# Altium PCB 2.4寸带固定框x3.PcbDoc
Units mm, origin at the board's own origin, x right, y up, seen from the top; angles counter-clockwise.
Board outline 71.91 x 45.51 mm, 2 copper layers (Top Layer, Bottom Layer); 14 components, 37 nets, 188 pads, 205 vias.
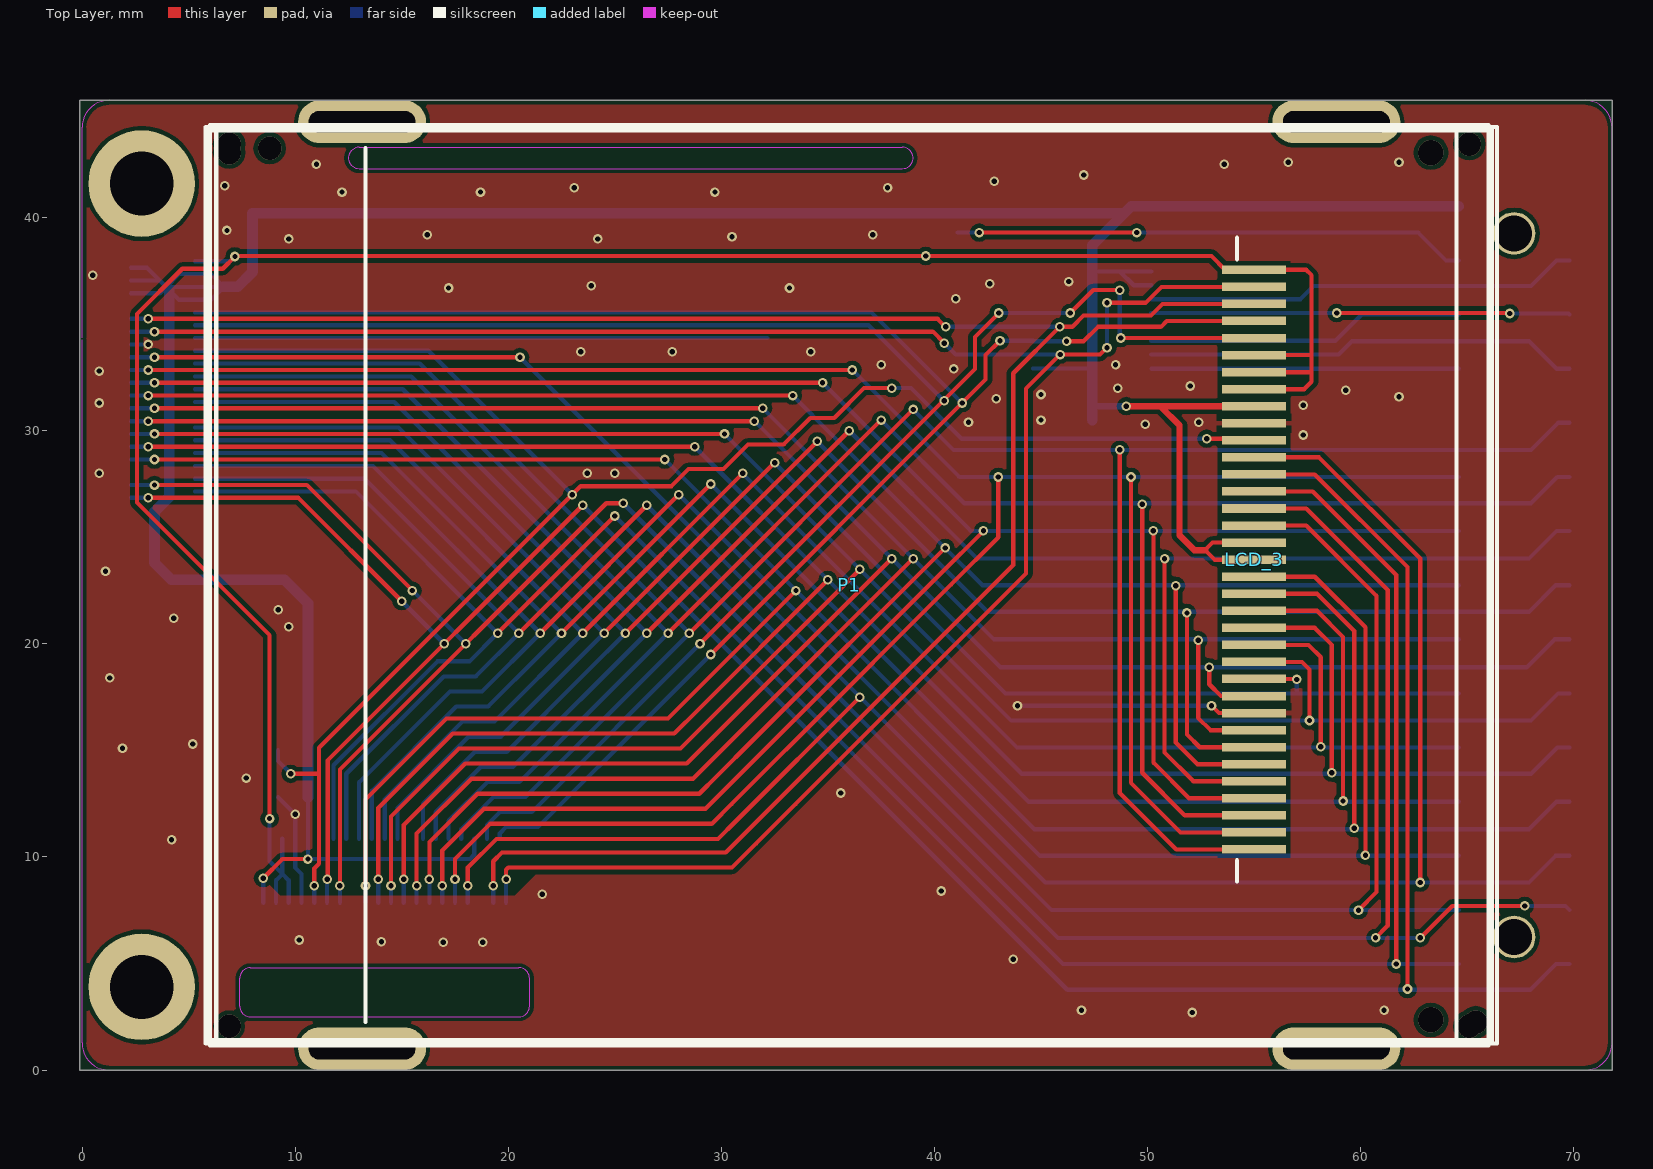
[diagram p0: Top Layer view]
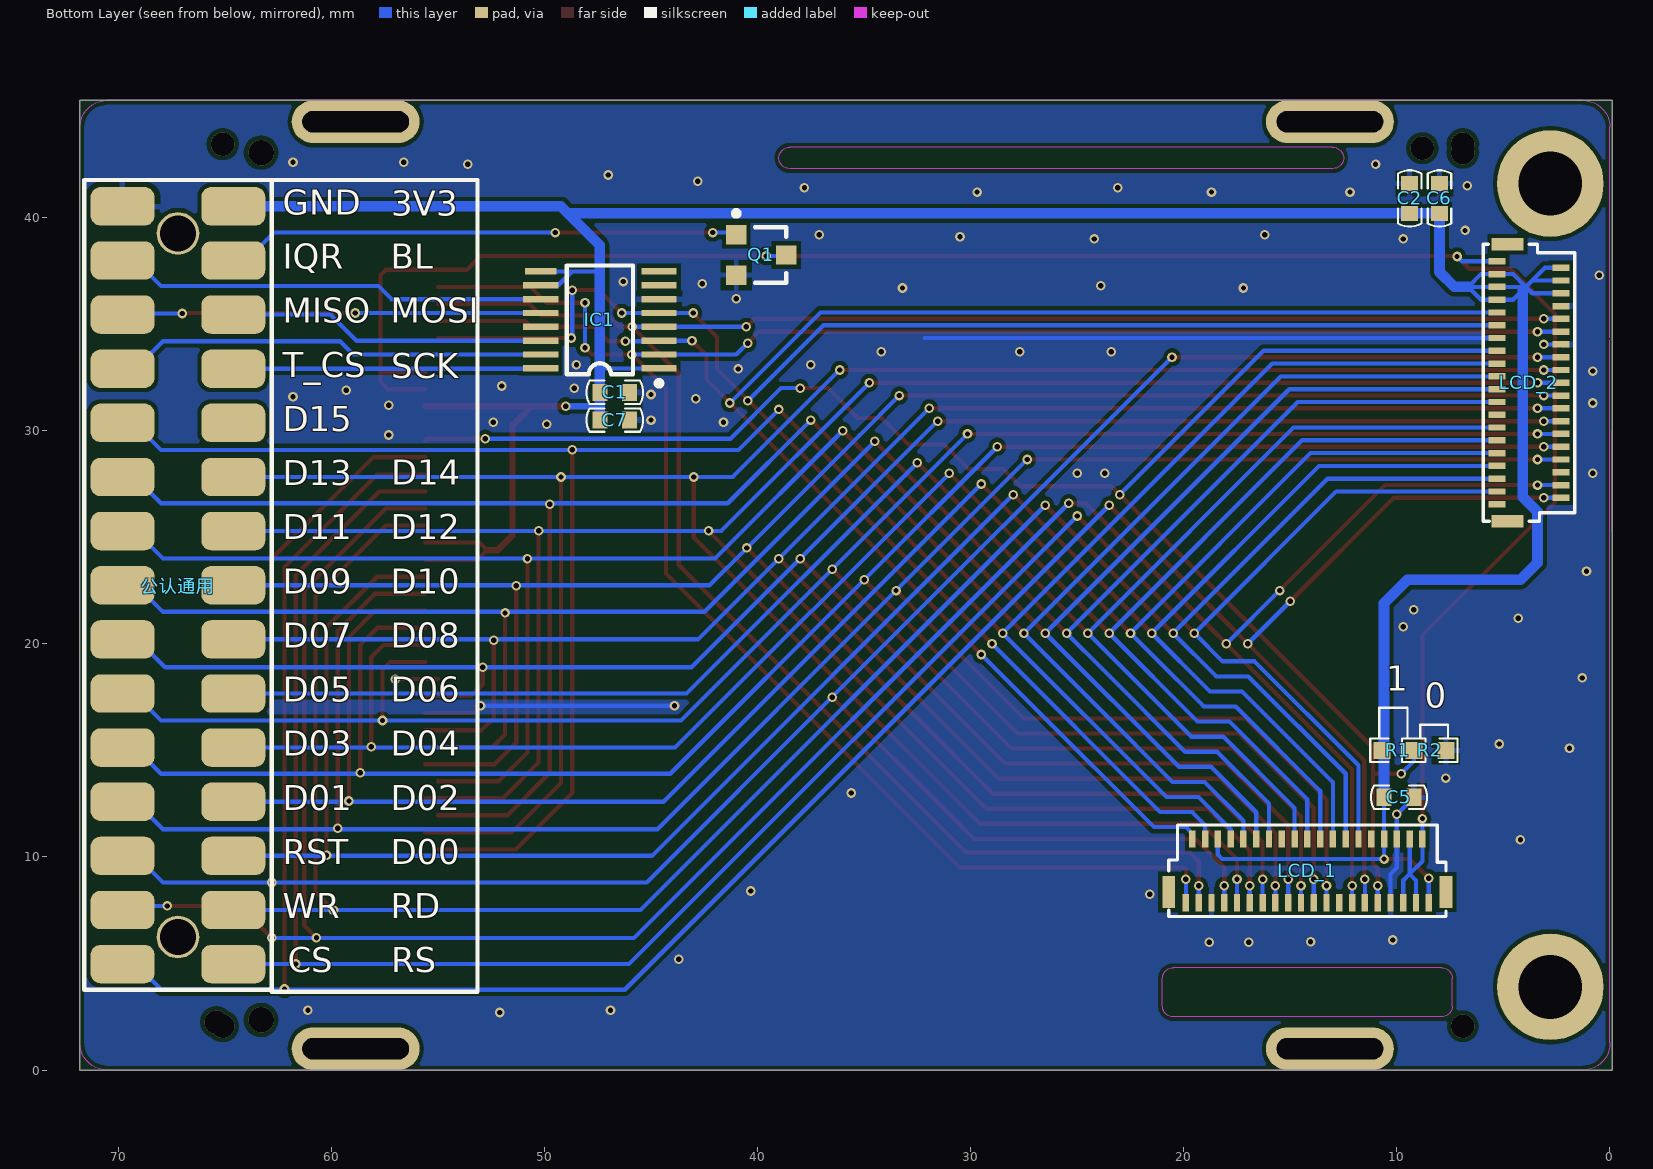
[diagram p1: Bottom Layer view, seen from below]
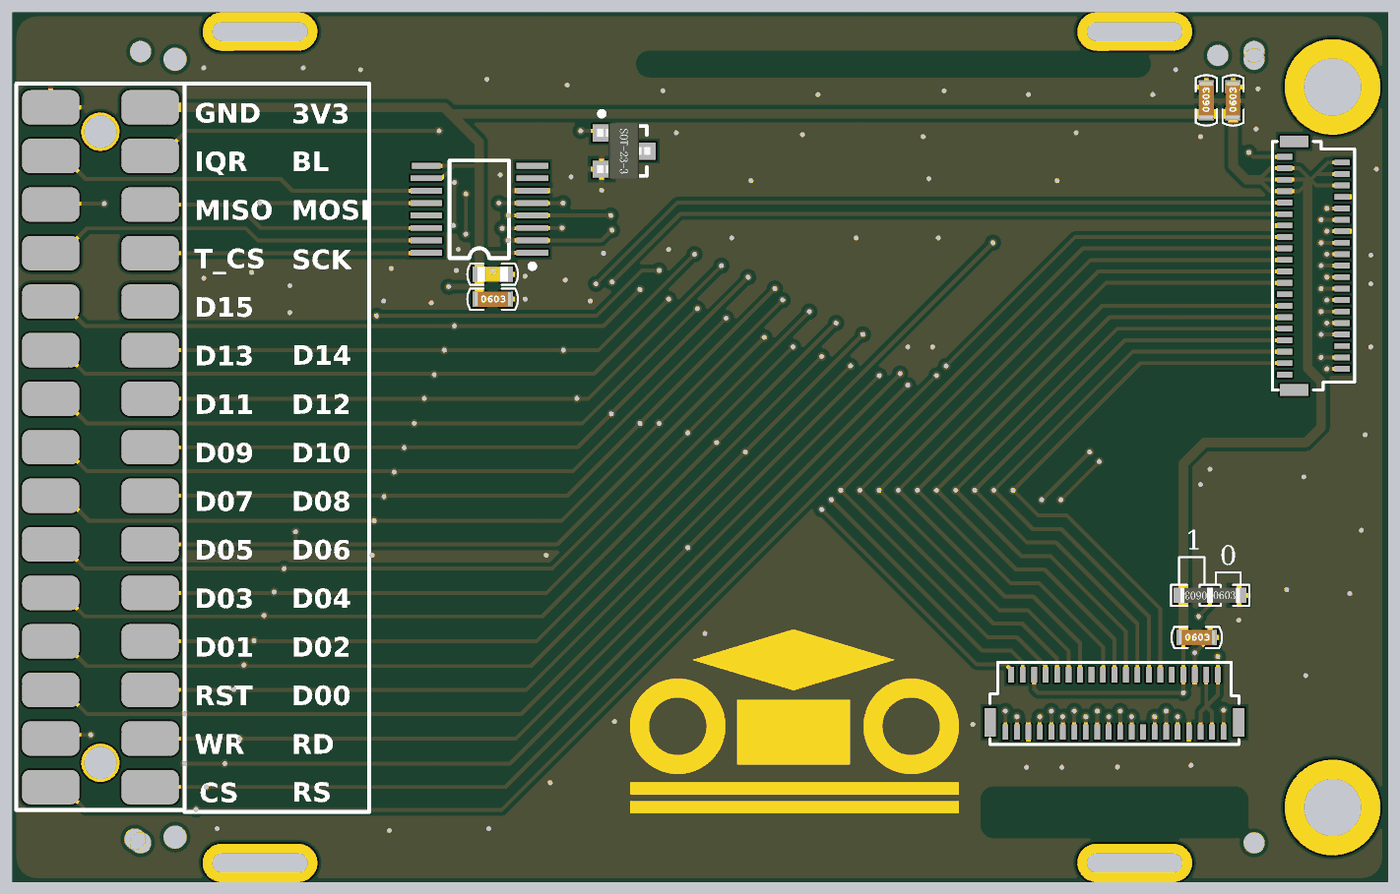
[diagram p2: 3D render of the assembled board from below, using the file's embedded part models]

## Layer stack, top to bottom
Top Solder: solder mask 0.0102, Solder Resist, Dk 3.5
Top Layer: signal copper 0.0356
Dielectric1: dielectric 0.32, FR-4, Dk 4.8
Bottom Layer: signal copper 0.0356
Bottom Solder: solder mask 0.0102, Solder Resist, Dk 3.5

## Board outline
-0.105,-0.005 71.805,-0.005 71.805,45.505 -0.105,45.505

## Design rules (kind name [scope] priority, off if disabled: settings)
Clearance [All] p1: gap=0.2
ComponentClearance [All] p1 off: gap=0.254 collisioncheckmode=3 verticalgap=0.254 showdistances=FALSE
Height [All] p1 off: minheight=0 maxheight=25.4 prefheight=12.7
PlaneConnect [All] p1: planeconnectstyle=Direct reliefexpansion=0.508 reliefentries=4 reliefconductorwidth=0.254 reliefairgap=0.254
PolygonConnect PolygonConnect_1 [IsVia] p1: connectstyle=Direct reliefconductorwidth=0.254 reliefentries=4 polygonreliefangle="90 Angle" airgapwidth=0.254
PolygonConnect [All] p2: connectstyle=Relief reliefconductorwidth=0.254 reliefentries=4 polygonreliefangle="90 Angle" airgapwidth=0.254
RoutingVias [All] p1: holewidth=0.711 width=1.27 viastyle="Through Hole" minholewidth=0.711 minwidth=1.27 maxholewidth=0.711 maxwidth=1.27
SilkToSolderMaskClearance SilkscreenOverComponentPads [IsPad] p1: minsilkscreentomaskgap=0.254 clearancetoexposedcopper=TRUE
SolderMaskExpansion [All] p1: expansion=0.102
Width [All] p1: maxlimit=1 minlimit=0.2 preferedwidth=0.2 minimp=50.000000 maximp=50.000000 favimp=50.000000
26 further rules are at their usual default settings.

## Components (designator, comment, footprint, x,y, rotation, side; value= is the part's Value field where it differs from the comment)
C1 "475" C0603-2 47.4,31.8 r180 bottom
C2 "104" C0603-1 9.4,40.2 r90 bottom
C5 "104" C0603-1 10.6,12.8 r180 bottom
C6 "104" C0603-1 8,40.2 r90 bottom
C7 "104" C0603-1 47.4,30.5 r180 bottom
IC1 "XPT2046" SOT403-1 47.4,35.2 r90 bottom locked
LCD_1 "TFT2.4_BTG242432" TFT2.4_BTG242432 6,44.35 r270 top locked
LCD_2 "TFT2.4_CXT24000" TFT2.4_CXT24000 5.8,44.25 r270 top locked
LCD_3 "TFT2.4_FGD240FLW" TFT2.4_FGD240FLW 64.5,1.35 r90 top locked
P1 "2.4inch_黑色固定框" 2.4inch_黑色固定框 5.9,44.15 r180 top locked
Q1 "MOSFET-N" SOT23A 41,39.2 r270 bottom
R1 "0R" R0603 9.2,15 r0 bottom
R2 "0R" R0603 9.2,15 r180 bottom
公认通用 "排针" P_Head_2x15 69.8,4.97 r90 bottom locked

## Footprints (in the part's own frame and the unit in brackets; to place one, negate y for a bottom-side part, rotate by r counter-clockwise, add the part's x,y. Pads: shape width x height; smd on the part's side, far side on the other; paste and mask are expansions set on the pad)
2.4inch_黑色固定框 [mm]
  oval 6x2 hole 1 slot 5 at 0 deg: 0(-52.96,-0.35) 0(-52.96,43.15) 0(-7.24,43.15) 0(-7.24,-0.35)
  silkscreen extent -60.2,0 0,42.8
C0603-1 [mm]
  rect 0.7x0.8 smd mask+0.1: 1(0,0) 2(1.4,0)
  silkscreen extent -0.62,-0.55 2.02,0.55, body extent -0.3,-0.39 1.7,0.39, height 0.79
C0603-2 [mm]
  rect 0.7x0.8 smd mask+0.1: 1(0,0) 2(1.4,0)
  silkscreen extent -0.62,-0.55 2.02,0.55, body extent -0.1,-0.4 1.5,0.4, height 0.3
P_Head_2x15 [mm]
  round 2 hole 1.7: 0(1.27,-2.6) 0(34.29,-2.6)
  rrect50% 1.8x3 smd: 1(0,0) 2(0,-5.2) 3(2.54,0) 4(2.54,-5.2) 5(5.08,0) 6(5.08,-5.2) 7(7.62,0) 8(7.62,-5.2) 9(10.16,0) 10(10.16,-5.2) 11(12.7,0) 12(12.7,-5.2) 13(15.24,0) 14(15.24,-5.2) 15(17.78,0) 16(17.78,-5.2) 17(20.32,0) 18(20.32,-5.2) 19(22.86,0) 20(22.86,-5.2) 21(25.4,0) 22(25.4,-5.2) 23(27.94,0) 24(27.94,-5.2) 25(30.48,0) 26(30.48,-5.2) 27(33.02,0) 28(33.02,-5.2) 29(35.56,0) 30(35.56,-5.2)
  silkscreen extent -1.2,-7 36.8,1.8
R0603 [mm]
  rect 0.8x0.8 smd mask+0.1: 1(0,0) 2(1.5,0)
  silkscreen extent -0.55,-0.55 2.05,0.55, body extent -0.05,-0.4 1.55,0.4, height 0.45
SOT23A [mm]
  rect 0.9x0.95 smd: 1(0,0) 2(1.9,0) 3(0.95,2.35)
  silkscreen extent -1.12,-0.13 2.25,2.35, body extent -0.5,-0.25 2.4,2.55
SOT403-1 [mm]
  rect 0.3x1.65 smd: 1(-2.275,-2.775) 2(-1.625,-2.775) 3(-0.975,-2.775) 4(-0.325,-2.775) 5(0.325,-2.775) 6(0.975,-2.775) 7(1.625,-2.775) 8(2.275,-2.775) 10(1.625,2.775) 11(0.975,2.775) 12(0.325,2.775) 13(-0.325,2.775) 14(-0.975,2.775) 15(-1.625,2.775) 16(-2.275,2.775)
  rect 0.3x1.5 smd: 9(2.275,2.775)
  silkscreen extent -3.1,-2.9 2.55,1.55
TFT2.4_BTG242432 [mm]
  rect 0.8x0.3 smd far side: 1(36.5,13.9) 2(33.5,13.6) 3(36.5,13.3) 4(33.5,13) 5(36.5,12.7) 6(33.5,12.4) 7(36.5,12.1) 8(33.5,11.8) 9(36.5,11.5) 10(33.5,11.2) 11(36.5,10.9) 12(33.5,10.6) 13(36.5,10.3) 14(33.5,10) 15(36.5,9.7) 16(33.5,9.4) 17(36.5,9.1) 18(33.5,8.8) 19(36.5,8.5) 20(33.5,8.2) 21(36.5,7.9) 22(33.5,7.6) 23(36.5,7.3) 24(33.5,7) 25(36.5,6.7) 26(33.5,6.4) 27(36.5,6.1) 28(33.5,5.8) 29(36.5,5.5) 30(33.5,5.2) 31(36.5,4.9) 32(33.5,4.6) 33(36.5,4.3) 34(33.5,4) 35(36.5,3.7) 36(33.5,3.4) 37(36.5,3.1) 38(33.5,2.8) 39(36.5,2.5)
  rect 1.5x0.6 smd far side: 40(36,14.7) 41(36,1.7)
  silkscreen extent 0,0 43.2,60
TFT2.4_CXT24000 [mm]
  rect 0.3x0.8 smd far side: 1(17.7,-0.5) 2(17.4,-3.5) 3(17.1,-0.5) 4(16.8,-3.5) 5(16.5,-0.5) 6(16.2,-3.5) 7(15.9,-0.5) 8(15.6,-3.5) 9(15.3,-0.5) 10(15,-3.5) 11(14.7,-0.5) 12(14.4,-3.5) 13(14.1,-0.5) 14(13.8,-3.5) 15(13.5,-0.5) 16(13.2,-3.5) 17(12.9,-0.5) 18(12.6,-3.5) 19(12.3,-0.5) 20(12,-3.5) 21(11.7,-0.5) 22(11.4,-3.5) 23(11.1,-0.5) 24(10.8,-3.5) 25(10.5,-0.5) 26(10.2,-3.5) 27(9.9,-0.5) 28(9.6,-3.5) 29(9.3,-0.5) 30(9,-3.5) 31(8.7,-0.5) 32(8.4,-3.5) 33(8.1,-0.5) 34(7.8,-3.5) 35(7.5,-0.5) 36(7.2,-3.5) 37(6.9,-0.5) 38(6.6,-3.5) 39(6.3,-0.5)
  rect 0.6x1.5 smd far side: 40(18.5,-1) 41(5.5,-1)
  silkscreen extent 0,0 43,60.6
TFT2.4_FGD240FLW [mm]
  rect 0.4x3 smd: 1(9,9.5) 2(9.8,9.5) 3(10.6,9.5) 4(11.4,9.5) 5(12.2,9.5) 6(13,9.5) 7(13.8,9.5) 8(14.6,9.5) 9(15.4,9.5) 10(16.2,9.5) 11(17,9.5) 12(17.8,9.5) 13(18.6,9.5) 14(19.4,9.5) 15(20.2,9.5) 16(21,9.5) 22(25.8,9.5) 23(26.6,9.5) 24(27.4,9.5) 25(28.2,9.5) 26(29,9.5) 27(29.8,9.5) 28(30.6,9.5) 29(31.4,9.5) 30(32.2,9.5) 31(33,9.5) 32(33.8,9.5) 33(34.6,9.5) 34(35.4,9.5) 35(36.2,9.5)
  rect 0.4x3 smd mask+0.1: 17(21.8,9.5) 18(22.6,9.5) 19(23.4,9.5) 20(24.2,9.5) 21(25,9.5)
  silkscreen extent 0,0 42.8,58.2

## Part data
C1 C2 C5 C6 C7: library part cap
IC1: library part ADS7843
R1 R2: library part Resistor
公认通用: library part LCD_common

## Free pads (board coordinates)
  round 5 hole 3: 3(2.8,3.9) 4(2.8,41.6)

## Via types
v1: diameter 0.45, hole 0.25, Top Layer to Bottom Layer, tented both sides, 196 vias
v2: diameter 1.1, hole 1.1, Top Layer to Bottom Layer, tented both sides, 7 vias
v3: diameter 1.2, hole 1.2, Top Layer to Bottom Layer, tented both sides, 2 vias

## Nets (pads, with @x,y where several pads share a name; then routed paths per layer and width w, separated by ;. In a path a pad name is that pad's centre, name@x,y a point inside that pad or via, vN(x,y) a via of type N, cw(c..) or ccw(c..) an arc to the next point about the centre after c; other vN are vias at no path point)
3.3V: C1.1 C2.1 C5.1 C6.1 C7.1 IC1.1 IC1.9 IC1.10 LCD_1.6 LCD_1.32 LCD_1.39 LCD_2.33 LCD_2.34 LCD_2.35 LCD_2.36 LCD_2.37 LCD_2.38 LCD_3.18 LCD_3.19 LCD_3.27 R1.2 公认通用.30 | length 160.5
  Top Layer w0.2: v1(8.5,9) 9.4,9.9 v1(10.6,9.9) ; LCD_3.18@55.6,23.95 LCD_3.18 53.15,23.95 52.7,24.4 53.05,24.75 LCD_3.19 LCD_3.19@55.6,24.75
  Top Layer w0.3: v1(49,31.15) 50.6,31.15 ; 52.7,24.4 52.2,24.4 51.5,25.1 51.5,30.25 50.6,31.15 ; LCD_3.27@55.6,31.15 LCD_3.27 50.6,31.15
  Bottom Layer w0.2: LCD_2.34 3.65,36.45 3.95,36.75 ; LCD_2.36 3.65,37.05 ; LCD_2.38 3.05,37.65 3.65,37.05 ; LCD_1.39 v1(8.5,9) ; C5.1 LCD_1.32 v1(10.6,9.9) 18.2,9.9 18.4,10.1 LCD_1.6 ; IC1.1 47.375,32.925 ; 47.425,37.475 48.7,37.475 ; IC1.10 49.35,36.825 48.7,37.475 ; IC1.9 48.7,37.475 ; 3.65,37.05 3.95,36.75 ; 3.95,36.75 6.65,36.75 ; 3.95,36.75 4.1,36.6 4.55,36.15 LCD_2.33 6.05,36.15 6.65,36.75 ; 3.95,36.75 4.55,37.35 LCD_2.37 6.05,37.35 6.65,36.75
  Bottom Layer w0.3: 47.45,31.15 v1(49,31.15)
  Bottom Layer w0.5: 4.1,36.6 4.1,26.895 3.4,26.195 3.4,23.8 4.2,23 9.5,23 10.6,21.9 C5.1 ; 6.65,36.75 7.3,36.75 8,37.45 C6.1 C2.1 48.9,40.2 ; C7.1 C1.1 47.4,38.7 48.9,40.2 ; 公认通用.30 49.23,40.53 48.9,40.2
BL_CTR: Q1.1 公认通用.28 | length 24
  Top Layer w0.2: v1(42.1,39.3) v1(49.5,39.3)
  Bottom Layer w0.2: Q1.1@41.1,39.3 v1(42.1,39.3) ; v1(49.5,39.3) 62.7,39.3 64.01,37.99 公认通用.28
CS: LCD_1.29 LCD_2.2 LCD_3.23 公认通用.1 | length 125.6
  Top Layer w0.2: v1(3.1,26.85) 10.15,26.85 v1(15,22) ; v1(11.5,8.95) 11.525,8.975 11.525,14.525 v1(23.5,26.5) ; LCD_3.23@55.6,27.95 57.85,27.95 62.2,23.6 v1(62.2,3.8)
  Bottom Layer w0.2: LCD_2.2 v1(3.1,26.85) ; LCD_1.29 v1(11.5,8.95) ; v1(15,22) v1(17,20) ; v1(23.5,26.5) 46.23,3.77 67.97,3.77 69.17,4.97 公认通用.1
D00: LCD_1.24 LCD_2.7 LCD_3.17 公认通用.6 | length 102.6
  Top Layer w0.2: v1(21.5,20.5) v1(28,27) ; LCD_3.17@55.6,23.15 57.85,23.15 60.225,20.775 v1(60.225,10.075)
  Bottom Layer w0.2: LCD_2.7 13.65,28.35 v1(21.5,20.5) 18.764,17.764 17.264,17.764 13,13.5 LCD_1.24 ; v1(28,27) 44.95,10.05 公认通用.6
D01: LCD_1.23 LCD_2.8 LCD_3.16 公认通用.7 | length 118.4
  Top Layer w0.2: v1(3.4,28.65) v1(27.35,28.65) ; v1(13.3,8.65) 13.3,12.7 17.1,16.5 25.6,16.5 27.5,16.5 v1(33.5,22.5) ; LCD_3.16@55.6,22.35 57.95,22.35 59.7,20.6 v1(59.7,11.35)
  Bottom Layer w0.2: LCD_2.8 v1(3.4,28.65) ; LCD_1.23 v1(13.3,8.65) ; v1(27.35,28.65) v1(33.5,22.5) 44.7,11.3 67.9,11.3 69.19,12.59 公认通用.7
D02: LCD_1.22 LCD_2.9 LCD_3.15 公认通用.8 | length 97.9
  Top Layer w0.2: v1(22.5,20.5) v1(29.5,27.5) ; LCD_3.15@55.6,21.55 57.95,21.55 59.175,20.325 v1(59.175,12.625)
  Bottom Layer w0.2: LCD_2.9 14.05,28.95 v1(22.5,20.5) 21.5,19.5 19.057,17.057 17.557,17.057 13.6,13.1 LCD_1.22 ; v1(29.5,27.5) 44.41,12.59 公认通用.8
D03: LCD_1.21 LCD_2.10 LCD_3.14 公认通用.9 | length 113.7
  Top Layer w0.2: v1(3.1,29.25) v1(28.75,29.25) ; v1(13.9,8.95) 13.9,12.3 17.393,15.793 25.5,15.793 27.793,15.793 28.9,16.9 34.7,22.7 v1(35,23) ; LCD_3.14@55.6,20.75 57.85,20.75 58.65,19.95 v1(58.65,13.95)
  Bottom Layer w0.2: LCD_2.10 v1(3.1,29.25) ; LCD_1.21 v1(13.9,8.95) ; v1(28.75,29.25) v1(35,23) 44.1,13.9 68,13.9 69.23,15.13 公认通用.9
D04: LCD_1.20 LCD_2.11 LCD_3.13 公认通用.10 | length 92.8
  Top Layer w0.2: v1(23.5,20.5) v1(31,28) ; LCD_3.13@55.6,19.95 57.55,19.95 58.125,19.375 v1(58.125,15.175)
  Bottom Layer w0.2: LCD_2.11 14.45,29.55 v1(23.5,20.5) 19.35,16.35 17.85,16.35 14.2,12.7 LCD_1.20 ; v1(31,28) 43.87,15.13 公认通用.10
D05: LCD_1.19 LCD_2.12 LCD_3.12 公认通用.11 | length 109
  Top Layer w0.2: v1(3.4,29.85) v1(30.15,29.85) ; v1(14.5,8.65) 14.5,11.9 17.686,15.086 25.8,15.086 28.086,15.086 29.4,16.4 v1(36.5,23.5) ; LCD_3.12@55.6,19.15 57.25,19.15 57.6,18.8 v1(57.6,16.4)
  Bottom Layer w0.2: LCD_2.12 v1(3.4,29.85) ; LCD_1.19 v1(14.5,8.65) ; v1(30.15,29.85) 43.6,16.4 v1(57.6,16.4) 68,16.4 69.27,17.67 公认通用.11
D06: LCD_1.18 LCD_2.13 LCD_3.11 公认通用.12 | length 88.3
  Top Layer w0.2: v1(24.5,20.5) v1(32.5,28.5) ; LCD_3.11 v1@57,18.35
  Bottom Layer w0.2: LCD_2.13 14.85,30.15 v1(24.5,20.5) 19.643,15.643 18.143,15.643 14.8,12.3 LCD_1.18 ; v1(32.5,28.5) 43.33,17.67 公认通用.12 ; 57,17.7 v1(57,18.33)
D07: LCD_1.17 LCD_2.14 LCD_3.10 公认通用.13 | length 108.3
  Top Layer w0.2: v1(3.1,30.45) v1(31.55,30.45) ; v1(15.1,8.95) 15.1,11.5 17.979,14.379 25.6,14.379 28.379,14.379 29.55,15.55 v1(38,24) ; v1(52.9,18.9) 52.9,18.1 53.45,17.55 LCD_3.10 LCD_3.10@55.6,17.55
  Bottom Layer w0.2: LCD_2.14 v1(3.1,30.45) ; LCD_1.17 v1(15.1,8.95) ; v1(31.55,30.45) v1(38,24) 43.1,18.9 v1(52.9,18.9) 67.8,18.9 69.11,20.21 公认通用.13
D08: LCD_1.15 LCD_2.16 LCD_3.8 公认通用.14 | length 105.8
  Top Layer w0.2: v1(3.4,31.05) v1(31.95,31.05) ; v1(15.7,8.65) 15.7,11.1 18.272,13.672 25.6,13.672 28.672,13.672 30.5,15.5 v1(39,24) ; v1(52.375,20.175) 52.375,16.525 52.95,15.95 LCD_3.8 LCD_3.8@55.6,15.95
  Bottom Layer w0.2: LCD_2.16 v1(3.4,31.05) ; LCD_1.15 v1(15.7,8.65) ; v1(31.95,31.05) v1(39,24) 42.79,20.21 公认通用.14
D09: LCD_1.14 LCD_2.17 LCD_3.7 公认通用.15 | length 100.1
  Top Layer w0.2: v1(25.5,20.5) v1(34.5,29.5) ; v1(51.85,21.45) 51.85,15.75 52.45,15.15 LCD_3.7
  Bottom Layer w0.2: LCD_2.17 14.65,31.35 v1(25.5,20.5) 23.7,18.7 19.936,14.936 18.436,14.936 16,12.5 LCD_1.14 ; v1(34.5,29.5) 42.5,21.5 67.9,21.5 69.15,22.75 公认通用.15
D10: LCD_1.13 LCD_2.18 LCD_3.6 公认通用.16 | length 110.8
  Top Layer w0.2: v1(3.1,31.65) v1(33.35,31.65) ; v1(16.3,8.95) 16.3,10.7 18.565,12.965 25.4,12.965 28.965,12.965 29.8,13.8 31.5,15.5 v1(40.5,24.5) ; v1(51.325,22.725) 51.325,15.375 52.35,14.35 LCD_3.6 LCD_3.6@55.6,14.35
  Bottom Layer w0.2: LCD_2.18 v1(3.1,31.65) ; LCD_1.13 v1(16.3,8.95) ; v1(33.35,31.65) 35.2,29.8 v1(40.5,24.5) 42.25,22.75 公认通用.16
D11: LCD_1.12 LCD_2.19 LCD_3.5 公认通用.17 | length 104.7
  Top Layer w0.2: v1(26.5,20.5) v1(36,30) ; v1(50.8,24) 50.8,14.9 52.15,13.55 LCD_3.5
  Bottom Layer w0.2: LCD_2.19 15.05,31.95 v1(26.5,20.5) 20.228,14.228 18.728,14.228 16.6,12.1 LCD_1.12 ; v1(36,30) 42,24 v1(50.8,24) 67.9,24 69.19,25.29 公认通用.17
D12: LCD_1.11 LCD_2.20 LCD_3.4 公认通用.18 | length 116.1
  Top Layer w0.2: v1(3.4,32.25) v1(34.75,32.25) ; v1(16.9,8.65) 16.9,10.3 18.858,12.258 25.4,12.258 29.258,12.258 32.5,15.5 33,16 40.25,23.25 v1(42.3,25.3) ; v1(50.275,25.3) 50.275,14.425 51.95,12.75 LCD_3.4 LCD_3.4@55.6,12.75
  Bottom Layer w0.2: LCD_2.20 v1(3.4,32.25) ; LCD_1.11 v1(16.9,8.65) ; v1(34.75,32.25) 41.71,25.29 公认通用.18
D13: LCD_1.10 LCD_2.21 LCD_3.3 公认通用.19 | length 109.2
  Top Layer w0.2: v1(27.5,20.5) v1(37.5,30.5) ; v1(49.75,26.55) 49.75,13.95 51.75,11.95 LCD_3.3
  Bottom Layer w0.2: LCD_2.21 15.45,32.55 v1(27.5,20.5) 24,17 20.521,13.521 19.021,13.521 17.2,11.7 LCD_1.10 ; v1(37.5,30.5) 41.4,26.6 68,26.6 69.23,27.83 公认通用.19
D14: LCD_1.9 LCD_2.22 LCD_3.2 公认通用.20 | length 122.7
  Top Layer w0.2: v1(3.1,32.85) v1(36.15,32.85) ; v1(17.5,8.95) 17.5,9.9 19.151,11.551 25.3,11.551 29.551,11.551 30.5,12.5 32.5,14.5 33.5,15.5 40.8,22.8 43,25 v1(43,27.83) ; v1@49.225,27.8 49.225,13.475 51.55,11.15 LCD_3.2 LCD_3.2@55.6,11.15
  Bottom Layer w0.2: LCD_2.22 v1(3.1,32.85) ; LCD_1.9 v1(17.5,8.95) ; v1(36.15,32.85) 41.17,27.83 v1(43,27.83) v1(49.225,27.83) 公认通用.20
D15: LCD_1.8 LCD_2.23 LCD_3.1 公认通用.21 | length 113.9
  Top Layer w0.2: v1(28.5,20.5) v1(39,31) ; v1(48.7,29.1) 48.7,13 51.35,10.35 LCD_3.1
  Bottom Layer w0.2: LCD_2.23 15.85,33.15 v1(28.5,20.5) 20.814,12.814 19.314,12.814 17.8,11.3 LCD_1.8 ; v1(39,31) 40.9,29.1 v1(48.7,29.1) 68,29.1 69.27,30.37 公认通用.21
GND: C1.2 C2.2 C5.2 C6.2 C7.2 IC1.6 LCD_1.5 LCD_1.33 LCD_1.34 LCD_2.26 LCD_2.27 LCD_2.32 LCD_3.9 LCD_3.26 Q1.2 R2.2 公认通用.29 | length 44.9
  Top Layer w0.2: v1(53,17.1) 53.35,16.75 LCD_3.9 LCD_3.9@55.6,16.75
  Bottom Layer w0.2: LCD_2.26 v1(3.1,34.05) ; LCD_2.27 32.15,34.35 ; C5.2 v1(10,12) LCD_1.34 10,9.5 10.3,9.2 LCD_1.33 ; v1(43.9,17.1) v1(53,17.1)
  other v1: 52.1,2.7 46.9,2.8 61.1,2.8 43.7,5.2 16.95,6 18.8,6 14.05,6.025 10.2,6.1 21.6,8.25 40.325,8.4 4.2,10.8 35.6,13 7.7,13.7 1.9,15.1 5.2,15.3 1.3,18.4 9.7,20.8 4.3,21.2 9.2,21.6 1.1,23.4 0.8,28 23.7,28 25,28 57.3,29.8 49.9,30.3 41.6,30.4 52.4,30.4 45,30.5 57.3,31.2 0.8,31.3 42.9,31.5 61.8,31.6 45,31.7 59.3,31.9 48.6,32 52,32.1 0.8,32.8 40.9,32.9 37.5,33.1 48.5,33.1 23.4,33.7 27.7,33.7 34.2,33.7 41,36.2 17.2,36.7 33.2,36.7 23.9,36.8 42.6,36.9 46.3,37 0.5,37.3 9.7,39 24.2,39 30.5,39.1 16.2,39.2 37.1,39.2 6.8,39.4 12.2,41.2 18.7,41.2 29.7,41.2 23.1,41.4 37.8,41.4 6.7,41.5 42.8,41.7 47,42 11,42.5 53.6,42.5 56.6,42.6 61.8,42.6
IM0: LCD_1.31 LCD_2.25 LCD_3.25 R1.1 R2.1 | length 83
  Top Layer w0.2: v1(9.8,13.9) 11.125,13.9 ; v1(10.9,8.65) 10.9,9.458 11.125,9.683 11.125,13.9 ; v1(38,32) 36.7,32 35.3,30.6 34.175,30.6 32.925,29.35 31.25,29.35 30.1,28.2 28.458,28.2 27.658,27.4 23.4,27.4 v1(23,27) 11.125,15.125 11.125,13.9 ; v1(52.775,29.625) 55.525,29.625 LCD_3.25@55.6,29.55
  Bottom Layer w0.2: LCD_2.25 16.25,33.75 v1(23,27) ; R2.1 9.2,14.5 v1(9.8,13.9) ; LCD_1.31 v1(10.9,8.65) ; v1(38,32) 38.9,32 41.275,29.625 v1(52.775,29.625)
LED-: LCD_1.35 LCD_1.36 LCD_1.37 LCD_1.38 LCD_2.39 LCD_3.28 LCD_3.29 LCD_3.30 LCD_3.35 Q1.3 | length 104.5
  Top Layer w0.2: v1(8.8,11.8) 8.8,20.408 2.575,26.633 2.575,35.475 4.7,37.6 6.6,37.6 v1(7.175,38.175) 7.2,38.2 v1(39.6,38.2) 53,38.2 53.65,37.55 LCD_3.35 57.45,37.55 57.7,37.3 57.7,32.3 57.35,31.95 LCD_3.28@55.6,31.95 ; LCD_3.29@55.6,32.75 57.65,32.75 ; LCD_3.30@55.6,33.55 57.65,33.55
  Bottom Layer w0.2: LCD_2.39 6.95,37.95 v1(7.175,38.175) ; v1(8.8,11.8) LCD_1.38 8.8,9.8 9.4,9.2 ; LCD_1.37 9.1,8.9 9.4,9.2 ; LCD_1.36 9.4,9.2 ; LCD_1.35 9.7,8.9 9.4,9.2 ; Q1.3@38.7,38.2 v1(39.6,38.2)
RD: LCD_1.26 LCD_2.5 LCD_3.20 公认通用.4 | length 108.2
  Top Layer w0.2: v1(20.5,20.5) v1(26.5,26.5) ; LCD_3.20@55.6,25.55 57.45,25.55 60.75,22.25 60.75,8.35 v1(59.9,7.5)
  Bottom Layer w0.2: LCD_2.5 13.25,27.75 v1(20.5,20.5) 18.471,18.471 16.971,18.471 12.4,13.9 LCD_1.26 ; v1(26.5,26.5) 45.49,7.51 公认通用.4
RS: LCD_1.28 LCD_2.3 LCD_3.22 公认通用.2 | length 112.7
  Top Layer w0.2: v1(19.5,20.5) v1(25,26) ; LCD_3.22@55.6,27.15 57.75,27.15 61.675,23.225 v1(61.675,4.975)
  Bottom Layer w0.2: LCD_2.3 12.85,27.15 v1(19.5,20.5) 18.178,19.178 16.678,19.178 11.8,14.3 LCD_1.28 ; v1(25,26) 46.03,4.97 公认通用.2
RST: LCD_1.7 LCD_2.24 LCD_3.24 公认通用.5 | length 126
  Top Layer w0.2: v1(3.4,33.45) v1(20.55,33.45) ; v1(18.1,8.65) 18.1,9.5 19.443,10.843 25.4,10.844 29.844,10.844 30.7,11.7 v1(36.5,17.5) ; LCD_3.24@55.6,28.75 58.05,28.75 62.8,24 v1(62.8,8.8)
  Bottom Layer w0.2: LCD_2.24 v1(3.4,33.45) ; LCD_1.7 v1(18.1,8.65) ; v1(20.55,33.45) v1(36.5,17.5) 45.2,8.8 v1(62.8,8.8) 67.9,8.8 69.15,10.05 公认通用.5
T_BUSY: IC1.13
T_CS: IC1.15 公认通用.23 | length 20.4
  Bottom Layer w0.2: IC1.15 58.975,33.575 59.6,34.2 67.9,34.2 69.19,32.91 公认通用.23
T_IQR: IC1.11 公认通用.27 | length 20.4
  Bottom Layer w0.2: IC1.11 57.175,36.175 57.79,36.79 67.99,36.79 69.19,37.99 公认通用.27
T_MISO: IC1.12 公认通用.25 | length 19.6
  Top Layer w0.2: v1(58.875,35.525) v1@67,35.525
  Bottom Layer w0.2: IC1.12 v1(58.875,35.525) ; v1(67,35.5) 69.75,35.5 公认通用.25
T_MOSI: IC1.14 公认通用.26 | length 14.9
  Bottom Layer w0.2: IC1.14 58.825,34.225 60.05,35.45 公认通用.26
T_SCK: IC1.16 公认通用.24 | length 14.4
  Bottom Layer w0.2: IC1.16@50.19,32.91 公认通用.24
TE: LCD_1.30
WR: LCD_1.27 LCD_2.4 LCD_3.21 公认通用.3 | length 120.9
  Top Layer w0.2: v1(3.4,27.45) 10.55,27.45 v1(15.5,22.5) ; v1(12.1,8.65) 12.1,14.1 24.6,26.6 v1(25.4,26.6) ; LCD_3.21@55.6,26.35 57.45,26.35 61.275,22.525 61.275,6.775 v1(60.7,6.2) ; v1(62.8,6.2) 64.3,7.7 v1(67.7,7.7)
  Bottom Layer w0.2: LCD_2.4 v1(3.4,27.45) ; LCD_1.27 v1(12.1,8.65) ; v1(15.5,22.5) v1(18,20) ; v1(25.4,26.6) 45.8,6.2 v1(60.7,6.2) v1(62.8,6.2) ; v1(67.7,7.7) 69.61,7.7 公认通用.3
XL: IC1.2 LCD_1.1 LCD_2.28 LCD_3.34 | length 98.3
  Top Layer w0.2: v1(3.4,34.65) 39.925,34.65 v1(40.463,34.113) ; v1(19.9,8.95) 19.9,9.4 20,9.5 25.3,9.5 30.5,9.5 31.646,10.646 33.5,12.5 40.8,19.8 44.3,23.3 44.3,31.975 v1(45.9,33.575) 47.775,33.575 v1(48.1,33.9) ; v1(48.1,36) 49.9,36 50.65,36.75 LCD_3.34
  Bottom Layer w0.2: LCD_2.28 v1(3.4,34.65) ; LCD_1.1 v1(19.9,8.95) ; v1(40.463,34.113) 41,33.575 IC1.2 v1(45.9,33.575) ; v1(48.1,33.9) v1(48.1,36)
XR: IC1.4 LCD_1.3 LCD_2.30 LCD_3.33 | length 97.5
  Top Layer w0.2: v1(3.1,35.25) 40.15,35.25 v1(40.525,34.875) ; v1(19.3,8.65) 19.3,9.8 19.707,10.207 25.3,10.207 30.207,10.207 43.7,23.7 43.7,32.7 v1(45.875,34.875) 46.467,34.875 47,35.408 50.158,35.408 50.7,35.95 LCD_3.33
  Bottom Layer w0.2: LCD_2.30 v1(3.1,35.25) ; LCD_1.3 v1(19.3,8.65) ; v1(40.525,34.875) IC1.4 v1(45.875,34.875)
YD: IC1.3 LCD_1.2 LCD_2.31 LCD_3.32 | length 84.1
  Top Layer w0.2: v1(29.5,19.5) v1(41.3,31.3) 42.4,32.4 42.4,33.55 v1(43.075,34.225) ; v1(46.2,34.2) 47,34.2 47.675,34.875 50.625,34.875 50.9,35.15 LCD_3.32
  Bottom Layer w0.2: LCD_2.31 37.05,35.55 v1(41.3,31.3) ; LCD_1.2 19.6,11.1 19.9,11.4 21.4,11.4 27,17 v1(29.5,19.5) ; v1(43.075,34.225) IC1.3 44.65,34.2 v1(46.2,34.2)
YU: IC1.5 LCD_1.4 LCD_2.29 LCD_3.31 | length 86.8
  Top Layer w0.2: v1(29,20) 41.9,32.9 41.9,34.4 v1(43.025,35.525) ; v1(46.375,35.525) 47.45,36.6 v1(48.7,36.6) ; v1(48.75,34.35) LCD_3.31
  Bottom Layer w0.2: LCD_2.29 36.908,34.95 v1(40.458,31.4) ; LCD_1.4 19,11.5 19.607,12.107 21.107,12.107 v1(29,20) ; v1(43.025,35.525) IC1.5 v1(46.375,35.525) ; v1(48.7,36.6) 48.7,34.4 v1(48.75,34.35)
pads on no net: IC1.7 IC1.8 LCD_1.16 LCD_1.25 LCD_1.40 LCD_1.41 LCD_2.1 LCD_2.6 LCD_2.15 LCD_2.40 LCD_2.41 P1.0 公认通用.0 公认通用.22
copper on no net:
  other v2: 6.9,2.05 65.1,2.05 65.4,2.25 6.9,43.05 8.8,43.25 6.9,43.45 65.1,43.45
  other v3: 63.3,2.35 63.3,43.05

## Polygon pours and split planes (outlines as drawn)
GND on Top Layer "Top Layer-No Net" (solid, remove dead copper, pour order 20): 0,0 0,45.5 71.8,45.5 71.8,0 70,0
GND on Bottom Layer "Top Layer-No Net" (solid, remove dead copper, pour order 22): 0,0.1 0,45.6 71.8,45.6 71.8,0.1 70,0.1

## Keep-outs
Keep-Out Layer:
  lines w0.01: -0.1,25.27 -0.1,30 ; 0,34.27 0,1.27 ccw(c1.27,1.27) 1.27,0 7.33,0 ; 0,34.37 0,44.23 cw(c1.27,44.23) 1.27,45.5 70.53,45.5 cw(c70.53,44.23) 71.8,44.23 71.8,1.27 cw(c70.53,1.27) 70.53,0 67.5,0 39.3,0 3,0 ; 7.4,3 ccw(c7.9,3) 7.9,2.5 20.5,2.5 ccw(c20.5,3) 21,3 21,4.3 ccw(c20.5,4.3) 20.5,4.8 7.9,4.8 ccw(c7.9,4.3) 7.4,4.3 7.4,3 ; 13,42.3 cw(c13,42.8) 13,43.3 38.5,43.3 cw(c38.5,42.8) 38.5,42.3 13,42.3

## Other copper
Top Layer:
  pour cut-out: 8.5,9 9.3,8.2 20.3,8.2 21.6,9.5 19.733,11.367 10.819,10.406

## Silkscreen, mask and mechanical layers (free items; w line width, h text height)
Bottom Overlay:
  lines w0.1: 7.6,15.55 7.6,16.2 8.012,16.2 8.9,16.2 8.9,15.55 ; 9.5,15.55 9.5,17 10.825,17 10.825,15.55
  lines w0.2: 53.148,3.67 62.8,3.67 62.8,41.77 53.148,41.77 53.148,3.67
  text "GND" at 62.292,39.738 h2
  text "3V3" at 57.2,39.7 h2
  text "BL" at 57.212,37.198 h2
  text "IQR" at 62.292,37.198 h2
  text "MOSI" at 57.212,34.658 h2
  text "MISO" at 62.292,34.658 h2
  text "T_CS" at 62.292,32.118 h2
  text "SCK" at 57.2,32.07 h2
  text "D15" at 62.292,29.578 h2
  text "D14" at 57.2,27.07 h2
  text "D13" at 62.292,27.038 h2
  text "D12" at 57.212,24.498 h2
  text "D11" at 62.292,24.498 h2
  text "D10" at 57.212,21.958 h2
  text "D09" at 62.292,21.958 h2
  text "D08" at 57.212,19.418 h2
  text "D07" at 62.292,19.418 h2
  text "1" at 10.5,17.4 h2
  text "D06" at 57.212,16.878 h2
  text "D05" at 62.292,16.878 h2
  text "0" at 8.7,16.6 h2
  text "D04" at 57.212,14.338 h2
  text "D03" at 62.292,14.338 h2
  text "D02" at 57.212,11.798 h2
  text "D01" at 62.292,11.798 h2
  text "D00" at 57.212,9.258 h2
  text "RST" at 62.292,9.258 h2
  text "RD" at 57.212,6.718 h2
  text "WR" at 62.292,6.718 h2
  text "RS" at 57.2,4.2 h2
  text "CS" at 62.038,4.178 h2
Top Solder:
  lines w0.4: 67.1,15.4 67.1,30.2 71.5,30.2 71.5,15.4 67.1,15.4
  text "AC3368" at 70.6,16.3 h4 r90
Bottom Solder:
  circle w1: c24.825,8.15 r2
  circle w1: c37.025,8.15 r2
  rectangle: 28.025,6.15 33.925,9.55
  rectangle: 22.325,4.575 39.525,5.225
  rectangle: 22.325,3.6 39.525,4.25
  region: 30.975,13.225 25.675,11.625 30.975,10.025 36.275,11.625